# Altium PCB 190816 Diff Pressure Sensors.PcbDoc (continued)
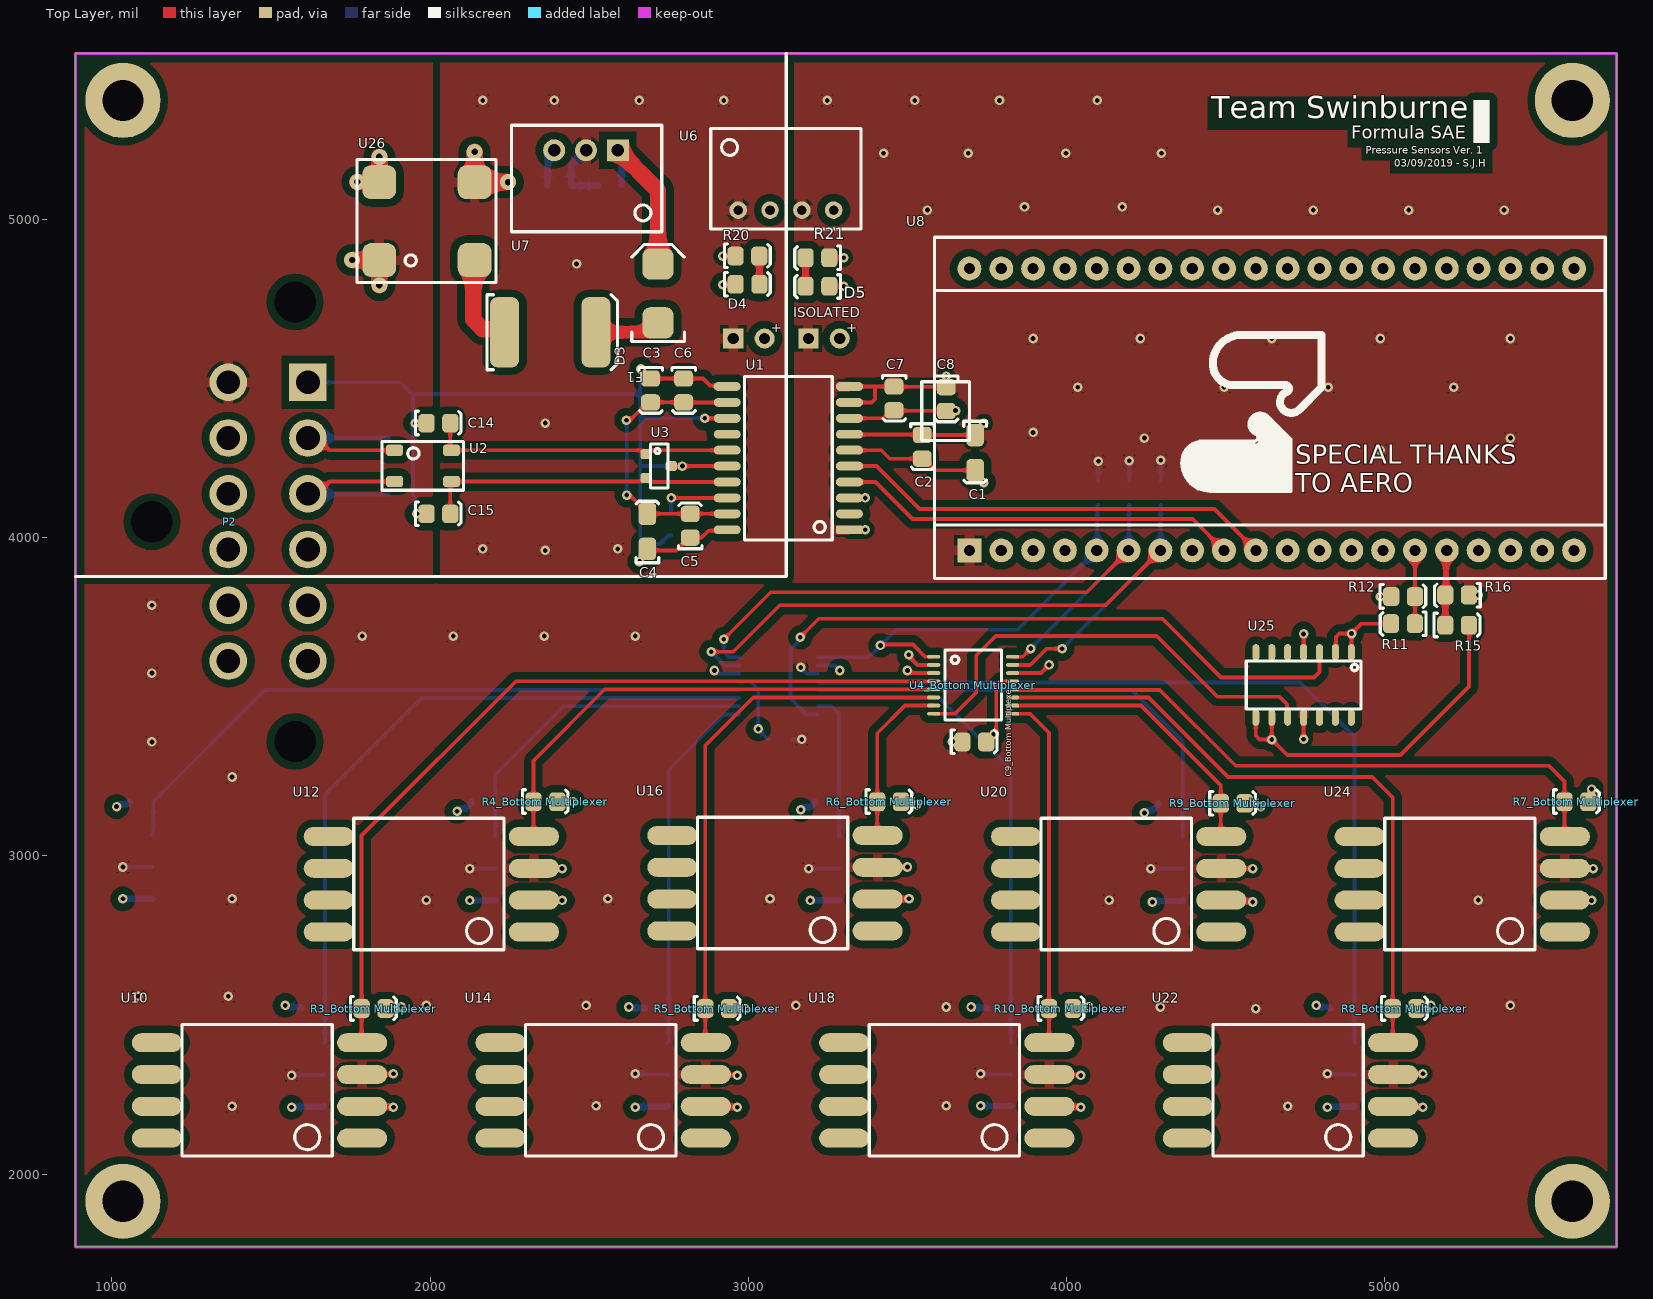
[diagram p0: Top Layer view]
## Part data
C1 C4: library part GCM3195C2A103JA16D, Digikey Part Number=490-4978-2-ND, Manufacturer=muRata, Rated Voltage=100V, Tolerance=5%, Material=Ceramic, Part Number=GCM3195C2A103JA16D
C2 C3 C6 C8 "C9_Bottom Multiplexer" "C9_Top Multiplexer": library part GCM21BR71E104KA37L, Manufacturer=muRata, Rated Voltage=25V, Tolerance=10%, Material=X7R, Part Number=GCM21BR71E104KA37L
C5 C7 C10: library part GCM21BR61A106KA37L, Manufacturer=muRata, Rated Voltage=10V, Tolerance=10%, Material=X5R, Part Number=GCM21BR61A106KA37L
C11: library part GRM21BR61A226ME51L, Digikey Part Number=490-10511-1-ND, Manufacturer=muRata, Rated Voltage=10V, Tolerance=20%, Material=X5R, Part Number=GRM21BR61A226ME51L
C12 C13 C14 C15: library part GCM21B5C1H101JA37L, Manufacturer=muRata, Rated Voltage=50V, Tolerance=5%, Material=C0G, Part Number=GCM21B5C1H101JA37L
D3: "1.2V_F 600V 5A SMB", Digikey Part Number=1655-1530-2-ND, Manufacturer="SMC Diode Solutions", Digikey Link=https://www.digikey.com/product-detail/en/smc-diode-solutions/SD560BTR/1655-1530-2-ND/6022620, Part Number=SD560BTR
D4 D5: library part SML-210LTT86, "Red LED Indication - Discrete 1.75V 0805 (2012 Metric)", Colour=Red, Digikey Part Number=511-1286-1-ND, Manufacturer="ROHM Semiconductor", Digikey Link=https://www.digikey.com/product-detail/en/rohm-semiconductor/SML-210LTT86/511-1286-1-ND/637099, Part Number=SML-210LTT86
F1: "SMD 24V 2A Fuse", Digikey Part Number=507-1749-2-ND, Manufacturer="Bel Fuse Inc", Digikey Link=https://www.digikey.com/product-detail/en/bel-fuse-inc/0ZCF0200AF2C/507-1749-2-ND/4156090, Part Number=0ZCF0200AF2C
P2: library part DT13-12P[[/\]]DT13-12P, Digikey Part Number=1734-1451-ND, Angle=90, Contact=Nickel, Digikey Link=https://www.digikey.com.au/product-detail/en/te-connectivity-deutsch-connectors/DT13-12PA/1734-1451-ND/7220123, Flange=Yes, Part Number=DT13-12P, Pitch=4.44mm, Positions=12, Row Spacing=6.35mm
R1: library part RC0805FR070RL, Manufacturer=YAGEO, Rated Voltage=0.125W, Tolerance=0.01, Material=FR-07, Part Number=RC0805FR070RL, Qty=50
R2 "R3_Bottom Multiplexer" "R3_Top Multiplexer" "R4_Bottom Multiplexer" "R4_Top Multiplexer" "R5_Bottom Multiplexer" "R5_Top Multiplexer" "R6_Bottom Multiplexer" "R6_Top Multiplexer" "R7_Bottom Multiplexer" "R7_Top Multiplexer" "R8_Bottom Multiplexer" "R8_Top Multiplexer" "R9_Bottom Multiplexer" "R9_Top Multiplexer" "R10_Bottom Multiplexer" "R10_Top Multiplexer" R13 R14: library part RC0805FR0710KL, Manufacturer=YAGEO, Rated Voltage=0.125W, Tolerance=0.01, Material=FR-07, Part Number=RC0805FR0710KL, Qty=50
R11 R15: library part RC0805FR07430RL, Manufacturer=YAGEO, Rated Voltage=0.125W, Tolerance=0.01, Material=FR-07, Part Number=RC0805FR07430RL, Qty=50
R12 R16: library part RC0805FR072KL, Manufacturer=YAGEO, Rated Voltage=0.125W, Tolerance=0.01, Material=FR-07, Part Number=RC0805FR072KL, Qty=50
R20 R21: library part RC0805FR071K5L, Manufacturer=YAGEO, Rated Voltage=0.125W, Tolerance=0.01, Material=FR-07, Part Number=RC0805FR071K5L, Qty=50
U1: "Isolated CAN Transceiver", Digikey Part Number=ADM3053BRWZ-ND, Manufacturer="Analogue Devices", Digikey Link=https://www.digikey.com/product-detail/en/analog-devices-inc/ADM3053BRWZ/ADM3053BRWZ-ND/2709332, Part Number=ADM3053
U2: "Common mode choke intended for CANBUS 150mA 50V)", Digikey Part Number=495-4598-2-ND, Manufacturer="EPCOS (TDK)", Digikey Link=https://www.digikey.com/product-detail/en/epcos-tdk/B82787C0104H002/495-4598-2-ND/3680998, Part Number=B82787C0104H002
U3: "Dual Line CAN Bus Protector", Digikey Part Number=NUP2105LT1GOSCT-ND, Manufacturer="ON Semiconductor", Digikey Link=https://www.digikey.com/product-detail/en/on-semiconductor/NUP2105LT1G/NUP2105LT1GOSCT-ND/1485001, Part Number=NUP2105L, Type="CAN ESD Protection"
"U4_Bottom Multiplexer" "U4_Top Multiplexer": "2 Circuit IC Switch 4:1 4.5 Ohm 16-TSSOP", Digikey Part Number=ADG709CRUZ-REEL7TR-ND, Manufacturer="Analogue Devices", Digikey Link=https://www.digikey.com/product-detail/en/analog-devices-inc/ADG709CRUZ-REEL7/ADG709CRUZ-REEL7TR-ND/995219, Part Number=ADG709
U6: "5V DC-DC Converter (2W)", Digikey Part Number=945-1189-ND, Manufacturer=Recom, Digikey Link=https://www.digikey.com/product-detail/en/recom-power/RI-0505S/945-1189-ND/2256369, Part Number=RI-0505S
U7: "CONV DC/DC 1A 5V OUT SIP VERT", Digikey Part Number=945-1395-5-ND, Manufacturer=Recom, Digikey Link=https://www.digikey.com.au/product-detail/en/recom-power/R-78C5.0-1.0/945-1395-5-ND/2652148, Part Number=R-78C5.0-1.0
U8: "ARM M3 mBed Enabled Microcontroller", Digikey Part Number=568-4916-ND, Manufacturer=NXP, Digikey Link=https://www.digikey.com/product-detail/en/nxp-usa-inc/OM11043,598/568-4916-ND/2138502, Part Number="LPC1768 MBED"
U9 U10 U11 U12 U13 U14 U15 U16 U17 U18 U19 U20 U21 U22 U23 U24: "Pressure Sensor ±0.29PSI (±2kPa) Differential Male - 0.13\" (3.3mm) Tube, Dual 0.5 V ~ 4.5 V 8-BSOP (0.475\", 12.06mm Width) Dual Ports, Same Side", Digikey Part Number=MPXV7002DP-ND, Manufacturer=NXP, Digikey Link=https://www.digikey.com.au/product-detail/en/nxp-usa-inc/MPXV7002DP/MPXV7002DP-ND/1168436?fbclid=IwAR0MQZl90cLpuihBZbsL3GvMnSHGSbwsdkIDRrDTi8UoGVz_88UawI4CY1w, Part Number=MPXV7002DP
U25: "IC OPAMP GP 4 CIRCUIT 14SOIC", Digikey Part Number=296-1390-5-ND, Manufacturer="Texas Instruments", Digikey Link=https://www.digikey.com/product-detail/en/texas-instruments/LM324D/296-1390-5-ND/277039, Part Number=LM324D
U26: "Common Mode Choke 120UH 2.5A 2LN 460 OHM SMD", Digikey Part Number=732-1489-2-ND, Manufacturer="Wurth Electronics Inc", Digikey Link=https://www.digikey.com/product-detail/en/wurth-electronics-inc/744272121/732-1489-2-ND/1638893, Part Number=744272121

## Free pads (board coordinates)
  round 236.22 hole 129.92 unplated: Mount(1035,1914.6) Mount(1035,5374.02) Mount(5589.57,1914.6) Mount(5589.57,5374.02)
  round 62.99 hole 35.43: "TEST +"(3051.18,4625.98) "TEST ISO +"(3287.4,4625.98)
  rect 62.99x62.99 hole 35.43: "TEST -"(2952.76,4625.98) "TEST ISO -"(3188.98,4625.98)

## Via types
v1: diameter 30, hole 15, Top Layer to Bottom Layer, 157 vias
v2: diameter 50, hole 20, Top Layer to Bottom Layer, 6 vias

## Nets (pads, with @x,y where several pads share a name; then routed paths per layer and width w, separated by ;. In a path a pad name is that pad's centre, name@x,y a point inside that pad or via, vN(x,y) a via of type N, cw(c..) or ccw(c..) an arc to the next point about the centre after c; other vN are vias at no path point)
0V: "pad.TEST -" C10.1 C11.1 R20.1 U6.1 U7.2 U26.3 | length 455.8
  Top Layer w11.81: v1(2920,4885) R20.1
  Top Layer w51.18: v2(2140.16,5212.48) U26.3 2140.28,5117.48 v2(2245.16,5117.48)
  Bottom Layer w19.68: U7.2 2443.03,5170.35 C11.1 2525.22,5106.45 C10.1
  other v1: 2362.2,3960 2165.35,3964.88 2590.16,3964.88 2362.2,4360.24 2460.63,4860.24 2165.35,5374.02 2390.16,5374.02 2657.48,5374.02 2923.23,5374.02
"0V (ISO)": "C9_Bottom Multiplexer.1" "C9_Top Multiplexer.1" "pad.TEST ISO -" "U4_Bottom Multiplexer.3" "U4_Bottom Multiplexer.14" "U4_Top Multiplexer.3" "U4_Top Multiplexer.14" C1.1 C2.1 C7.1 C8.1 R2.1 R12.1 R13.1 R14.1 R16.1 R21.1 U1.1 U1.3 U1.7 U1.9 U1.10 U6.3 U8.1 U9.3 U10.3 U11.3 U12.3 U13.3 U14.3 U15.3 U16.3 U17.3 U18.3 U19.3 U20.3 U21.3 U22.3 U23.3 U24.3 U25.11 | length 3323.6
  Top Layer w11.81: U10.3 1787.68,2314.21 1883.94,2314.21 v1(1885,2315.28) ; U12.3 2414.09,2961.18 v1(2415,2960.28) ; U14.3 2867.92,2311.71 2963.56,2311.71 v1(2965,2310.28) ; R21.1 v1(3300,4880) ; U1.1 v1(3367.91,4025.12) ; U1.3 v1(3367.91,4125.12) ; U1.7 3318.98,4324.05 3545.82,4324.05 C2.1 3712.4,4322.99 C1.1 3712.91,4331.67 3740.16,4358.92 v1(3740.16,4360.24) ; U1.9 3387.91,4425.12 3397.91,4435.12 3397.91,4470.12 3402.91,4475.12 ; U1.10 3402.91,4475.12 ; U16.3 3406.88,2964.8 3499.53,2964.8 v1(3500,2965.28) ; v1(3500,3582.68) 3507.87,3574.8 3582.68,3574.8 ; v1(3622.05,4507.87) 3621.96,4507.79 3621.96,4473.07 C8.1 3620.82,4474.05 3458.98,4474.05 C7.1 3402.91,4475.12 ; v1(3641.73,3359.45) 3671.73,3359.45 3672.76,3358.42 ; 3830.71,3574.8 3919.61,3574.8 v1(3945.2,3600.39) ; U18.3 3947.78,2311.71 4043.56,2311.71 v1(4045,2310.28) ; U20.3 4486.73,2960.73 4584.55,2960.73 v1(4585,2960.28) ; v1(4745,3367.05) U25.11 ; v1(4986.26,3815) R12.1 ; U22.3 5027.27,2314.21 5118.94,2314.21 v1(5120,2315.28) ; R16.1 v1(5294.17,3820) ; U24.3 5654.09,2961.18 v1(5655,2960.28)
  Bottom Layer w11.81: v1(1035,2965.28) 1126.14,2965.28 U9.3 ; v1(1565,2310.28) 1566.44,2311.71 1665.27,2311.71 U11.3 ; v1(2125,2960.28) 2205.73,2960.28 U13.3 ; v1(2645,2315.28) 2646.06,2314.21 2745.51,2314.21 U15.3 ; v1(2893.7,3582.68) 2903.54,3572.83 2970.47,3572.83 ; 3138.27,3365.11 3139.3,3366.14 v1(3168.31,3366.14) ; v1(3165,3592.52) 3184.68,3572.83 3218.5,3572.83 ; v1(3190,2960.28) 3190.45,2960.73 3286.05,2960.73 U17.3 ; v1(3730,2315.28) 3731.06,2314.21 3825.37,2314.21 U19.3 ; R2.1 4099.65,4178.38 4099.65,4239.41 v1(4100.39,4240.16) ; v1(4196.85,4242.13) 4197.88,4241.09 R13.1 ; v1(4265,2960.28) 4265.45,2960.73 4365.91,2960.73 U21.3 ; R14.1@4296.28,4177.66 v1(4296.26,4243.11) ; v1(4820,2315.28) 4822.13,2313.15 U23.3
  other v1: 1377.95,2213.15 4695,2213.15 2521.65,2215.28 3621.88,2215.28 4595,2520.28 3621.88,2525.28 4295,2525.28 1988.78,2530.28 2490.16,2530.28 3149.61,2530.28 5395,2530.28 1082.68,2559.06 1366.16,2559.06 1988.78,2861.18 4133.86,2861.18 5294.17,2861.18 1377.95,2865.28 2559.06,2865.28 3068.31,2865.28 1377.95,3248.03 1126,3358.42 1126,3574.8 1786.61,3690.94 2072.74,3690.94 2358.87,3690.94 2645,3690.94 1126,3787.6 4986.26,4275.12 4245,4313.19 4625.98,4313.19 5395,4313.19 3895,4330.71 4035.43,4472.99 4495,4472.99 4822.83,4472.99 5216.54,4472.99 3895,4625.98 4232.28,4625.98 4645,4625.98 4986.26,4625.98 5395,4625.98 3562.83,5029.53 4475.15,5029.53 4775.15,5029.53 5075.15,5029.53 5375.15,5029.53 3867.94,5039.37 4175.15,5039.37 3425.03,5208.43 3690.94,5208.43 3998.15,5208.43 4298.15,5208.43 3248.03,5374.02 3523.46,5374.02 3789.37,5374.02 4096.57,5374.02
"5kW Active": P2.8
5V: "pad.TEST +" C11.2 D4.A U6.2 U7.3 | length 160.8
  Top Layer w19.68: v1(2920,4795) 2920.61,4795.61 2959.55,4795.61 D4.A
  Bottom Layer w19.68: C11.2 2370.16,5108.38 2370.16,5197.48 U7.3
"5V (ISO)": "C9_Bottom Multiplexer.2" "C9_Top Multiplexer.2" "pad.TEST ISO +" "R3_Bottom Multiplexer.2" "R3_Top Multiplexer.2" "R4_Bottom Multiplexer.2" "R4_Top Multiplexer.2" "R5_Bottom Multiplexer.2" "R5_Top Multiplexer.2" "R6_Bottom Multiplexer.2" "R6_Top Multiplexer.2" "R7_Bottom Multiplexer.2" "R7_Top Multiplexer.2" "R8_Bottom Multiplexer.2" "R8_Top Multiplexer.2" "R9_Bottom Multiplexer.2" "R9_Top Multiplexer.2" "R10_Bottom Multiplexer.2" "R10_Top Multiplexer.2" "U4_Bottom Multiplexer.2" "U4_Bottom Multiplexer.13" "U4_Top Multiplexer.2" "U4_Top Multiplexer.13" C1.2 C2.2 C7.2 C8.2 D5.A U1.6 U1.8 U6.4 U8.2 U9.2 U10.2 U11.2 U12.2 U13.2 U14.2 U15.2 U16.2 U17.2 U18.2 U19.2 U20.2 U21.2 U22.2 U23.2 U24.2 U25.4 | length 3962.8
  Top Layer w11.81: D5.A v1(3300,4790) ; U1.6 3417.91,4275.12 3444.84,4248.19 C2.2 3550.82,4248.19 3586.77,4212.24 C1.2 3712.91,4200.47 v1(3740.16,4173.23) ; U1.8 3425.04,4375.12 3450.24,4400.32 C7.2 3458.98,4399.25 3620.82,4399.25 C8.2 3622.59,4398.9 3657.32,4398.9 3657.32,4399.61 v1(3651.57,4399.61) ; v1(3503.94,3631.89) 3503.94,3627.95 3531.5,3600.39 3582.68,3600.39 ; 3747.56,3358.42 v1(3772.33,3383.19) 3779.53,3390.39 3779.53,3533.46 3795.28,3549.21 3830.71,3549.21 ; U25.4 4745.08,3639.84 v1(4745.08,3697.83)
  Top Layer w19.68: U10.2 1788.05,2211.71 1883.56,2211.71 v1(1885,2210.28) ; 1859.8,2520.28 1862.3,2522.78 1907.5,2522.78 v1(1910,2525.28) ; U12.2 2327,2860.73 2414.55,2860.73 v1(2415,2860.28) ; 2399.8,3170.28 v1(2450,3170.28) ; U14.2 2867.92,2211.71 2963.56,2211.71 v1(2965,2210.28) ; 2939.8,2520.28 v1(2990,2520.28) ; U16.2 3406.88,2864.8 3504.53,2864.8 v1(3505,2865.28) ; 3479.8,3170.28 3484.8,3165.28 3525,3165.28 v1(3530,3160.28) ; U18.2 3947.78,2211.71 4043.56,2211.71 v1(4045,2210.28) ; 4020,2520.28 4022.5,2522.78 4067.5,2522.78 v1(4070,2525.28) ; U20.2 4489.23,2858.23 4582.05,2858.23 v1(4585,2855.28) ; 4559.8,3165.28 4564.8,3160.28 4605,3160.28 v1(4610,3155.28) ; U22.2 5027.65,2211.71 5118.56,2211.71 v1(5120,2210.28) ; 5099.8,2520.28 5104.8,2525.28 5140,2525.28 v1(5145,2530.28) ; U24.2 5649.09,2861.18 v1(5650,2860.28) ; 5639.8,3170.28 5644.9,3175.38 5644.9,3205.18 v1(5650,3210.28)
  Bottom Layer w11.81: 2970.47,3547.24 3007.87,3547.24 3031.5,3523.62 v1(3031.5,3399.13) 3031.5,3397.08 3063.47,3365.11 ; 3218.5,3598.43 3271.65,3598.43 v1(3287.4,3582.68) ; v1(3651.57,4399.61) v1@3661.42,4389.76
  Bottom Layer w19.68: v1(1015,3155.28) 1022.5,3162.78 1047.7,3162.78 1055.2,3170.28 ; v1(1035,2865.28) 1035.32,2865.59 1126.46,2865.59 U9.2 ; v1(1545,2530.28) 1550,2525.28 1590.2,2525.28 1595.2,2520.28 ; v1(1565,2210.28) 1566.44,2211.71 1665.27,2211.71 U11.2 ; v1(2085,3140.28) 2092.71,3147.99 2107.91,3147.99 2112.34,3152.41 2114.68,3152.41 2130.2,3167.93 2130.2,3170.28 ; v1(2125,2860.28) 2205.73,2860.28 U13.2 ; v1(2625,2525.28) 2627.5,2522.78 2672.7,2522.78 2675.2,2520.28 ; v1(2645,2210.28) 2646.44,2211.71 2745.13,2211.71 U15.2 ; v1(3165,3145.28) 3172.71,3152.99 3194.68,3152.99 3210.2,3168.51 3210.2,3170.28 ; v1(3195,2860.28) 3195.45,2860.73 3286.05,2860.73 U17.2 ; v1(3700,2525.28) 3702.5,2522.78 3747.7,2522.78 3750.2,2520.28 ; v1(3730,2215.28) 3731.06,2214.21 3825.37,2214.21 U19.2 ; v1(4245,3135.28) 4252.71,3142.99 4267.91,3142.99 4272.34,3147.41 4274.68,3147.41 4290.2,3162.93 4290.2,3165.28 ; v1(4270,2855.28) 4272.95,2858.23 4363.41,2858.23 U21.2 ; v1(4785,2530.28) 4790,2525.28 4825.2,2525.28 4830.2,2520.28 ; v1(4820,2210.28) 4821.44,2211.71 4904.86,2211.71 U23.2
"A0 (ISO)": "U4_Bottom Multiplexer.1" "U4_Top Multiplexer.1" R2.2 U8.5 | length 1352.1
  Top Layer w11.81: v1(3415.35,3661.42) 3418.54,3664.61 3517.49,3664.61 3536.65,3645.44 3536.65,3644.92 3555.59,3625.98 3582.68,3625.98 ; U8.5 U8.5@4100,3955
  Bottom Layer w11.81: 3218.5,3624.02 3377.95,3624.02 v1(3415.35,3661.42) 3464.57,3710.63 3845.63,3710.63 U8.5 4096.95,3961.95 4096.95,4100.88 R2.2
"A1 (ISO)": "U4_Bottom Multiplexer.16" "U4_Top Multiplexer.16" R13.2 U8.6 | length 2128.6
  Top Layer w11.81: v1(2923.23,3681.1) 3070.87,3828.74 4063.74,3828.74 U8.6 ; 3830.71,3625.98 3862.2,3625.98 v1(3887.8,3651.57)
  Bottom Layer w11.81: v1(2923.23,3681.1) 2923.23,3641.73 2940.94,3624.02 2970.47,3624.02 ; v1(3887.8,3651.57) 4195,3958.78 U8.6 4196.44,3961.44 4196.44,4101.4 R13.2
"A2 (ISO)": "U4_Bottom Multiplexer.15" "U4_Top Multiplexer.15" R14.2 U8.7 | length 2404.1
  Top Layer w11.81: v1(2883.86,3641.73) 2952.74,3641.73 3098.61,3787.6 4122.6,3787.6 U8.7 ; 3830.71,3600.39 3886.18,3600.39 3937.01,3651.22 v1(3986.22,3651.22)
  Bottom Layer w11.81: v1(2883.86,3641.73) 2927.17,3598.43 2970.47,3598.43 ; v1(3986.22,3651.22) U8.7 4295.65,3960.65 4295.65,4102.18 R14.2
CANH: C12.2 P2.3 U2.2 | length 545.6
  Top Layer w11.81: P2.3 1644.92,4137.99 1683.5,4176.57 U2.2
  Bottom Layer w11.81: P2.3 1618.17,4135.98 1869.64,4135.98 C12.2
CANL: C13.2 P2.2 U2.1 | length 544.1
  Top Layer w11.81: P2.2 1644.92,4313.19 1683.11,4275 U2.1
  Bottom Layer w11.81: P2.2 1870.88,4313.19 C13.2
CANS: C3.1 C4.1 C5.1 C6.1 C12.1 C13.1 C14.1 C15.1 P2.1 R1.1 U1.11 U1.13 U1.16 U1.20 U3.3 | length 3430.6
  Top Layer w11.81: v1(1953.58,4360) C14.1 ; v1(1958.58,4075) C15.1 ; v1(2657.91,3925.12) 2682.91,3950.12 C4.1 2687.68,3960.12 2773.77,3960.12 2813.97,4000.32 C5.1 2853.11,4000.32 2874.82,4022.02 2930.82,4022.02 U1.20 ; v1(2662.91,4530.12) C3.1 C6.1 2857.91,4500.12 2879.82,4478.22 2930.78,4478.22 U1.11 ; U3.3 v1(2792.91,4225.12) U1.16 ; v1(2862.91,4375.12) U1.13
  Bottom Layer w11.81: P2.1 1906.89,4488.39 1946.45,4448.82 ; v1(1958.58,4075) 1953.31,4080.27 1953.31,4127.11 C12.1 C13.1 1946.45,4448.82 ; v1(2657.91,3925.12) 2660.41,3927.62 2660.41,3985.12 ; v1(2662.91,4530.12) 2660.41,4527.62 2660.41,4451.37 ; R1.1 2749.21,4007.25 2722.09,3980.12 2665.41,3980.12 2660.41,3985.12 ; v1(2792.91,4225.12) 2665.41,4225.12 2660.41,4220.12 ; v1(2862.91,4375.12) 2660.41,4375.12 ; 1946.45,4448.82 1949,4451.37 2660.41,4451.37 ; 2660.41,3985.12 2660.41,4220.12 ; 2660.41,4220.12 2660.41,4375.12 ; 2660.41,4375.12 2660.41,4451.37
GLV+: P2.12 U26.1 | length 164.3
  Top Layer w51.18: v2(1755.16,4872.48) U26.1 1840.55,4872.09 v2(1840.55,4793.31)
GLV-: P2.11 U26.4 | length 148.5
  Top Layer w51.18: v2(1771.65,5118.11) 1839.41,5118.11 U26.4 1840.55,5117.76 v2(1840.55,5196.85)
NetC3_2: C3.2 C4.2 C5.2 C6.2 U1.12 U1.19 | length 921.3
  Top Layer w11.81: v1(2617.22,4369.19) 2628.75,4369.19 2688.7,4429.13 2692.71,4425.12 C3.2 C6.2 2796.98,4425.22 2933.81,4425.22 U1.12 ; v1(2618.11,4133.86) 2627.79,4133.86 2682.91,4078.73 C4.2 C5.2 U1.19
  Bottom Layer w11.81: v1(2617.22,4369.19) 2618.11,4368.3 v1(2618.11,4133.86)
NetC10_2: C10.2 D3.K U7.1 | length 523.5
  Top Layer w51.18: U7.1 2716.54,5091.1 D3.K
  Bottom Layer w19.68: U7.1 2602.09,5205.55 C10.2
NetC14_2: C14.2 U1.15 U2.4 U3.1 | length 963.3
  Top Layer w11.81: C14.2 2063.58,4279.13 U2.4 2666.69,4275 U3.1 2691.77,4275.12 U1.15
NetC15_2: C15.2 U1.17 U2.3 U3.2 | length 979.3
  Top Layer w11.81: C15.2 2063.58,4172.44 U2.3 2668.03,4176.57 U3.2 2682.21,4187.72 2694.81,4175.12 U1.17
NetD3_A: D3.A F1.2 | length 207.1
  Top Layer w39.37: F1.2 2687.01,4645.67 D3.A
NetD4_K: D4.K R20.2 | length 88.9
  Top Layer w19.68: R20.2 3034.88,4884.92 3034.88,4796.29 D4.K
NetD5_K: D5.K R21.2 | length 90
  Top Layer w19.68: D5.K R21.2
NetF1_1: F1.1 U26.2 | length 303.7
  Top Layer w51.18: U26.2 2135.83,4868.15 2135.83,4685.49 2165.81,4655.51 2224.41,4655.51 F1.1
NetR1_2: R1.2 U1.18 | length 219.5
  Top Layer w11.81: v1(2757.91,4125.12) U1.18
  Bottom Layer w11.81: R1.2 2757.4,4082.56 2757.4,4124.6 v1(2757.91,4125.12)
NetR11_1: R11.1 R12.2 U8.15 | length 230.1
  Top Layer w11.81: R11.1 5094.9,3730.1 5094.9,3814.9 R12.2 U8.15
NetR11_2: R11.2 U25.1 U25.2 | length 299.1
  Top Layer w11.81: U25.2 4846.95,3641.71 4846.95,3688.48 4857.28,3698.82 v1(4895.67,3698.82) ; U25.1 4895.33,3640.1 4895.33,3698.48 v1(4895.67,3698.82) ; R11.2 4926.85,3730 v1(4895.67,3698.82)
NetR15_1: R15.1 R16.2 U8.16 | length 237
  Top Layer w19.68: R15.1 R16.2 5192.6,3822.4 5192.6,3957.6 U8.16
NetR15_2: R15.2 U25.8 U25.9 | length 1103.6
  Top Layer w11.81: U25.8 4595,3377.44 4606.66,3365.78 v1(4645,3365.78) ; U25.9 v1(4645,3365.78) ; R15.2 5265,3532.72 5049.21,3316.93 4693.85,3316.93 v1(4645,3365.78)
"NetU4_Bottom Multiplexer_8": "U4_Bottom Multiplexer.8" U25.10 | length 1410.7
  Top Layer w11.81: 3582.68,3446.85 3649.66,3446.85 3716.54,3513.72 3716.54,3629.86 3777.62,3690.94 4283.46,3690.94 4474.41,3500 4669.73,3500 4693.05,3476.68 4693.05,3436.99 U25.10
"NetU4_Top Multiplexer_8": "U4_Top Multiplexer.8" U25.3 | length 2111.9
  Top Layer w11.81: v1(3163.54,3687.19) 3221.43,3745.08 4301.18,3745.08 4485.24,3561.02 4777.56,3561.02 4795,3578.46 U25.3
  Bottom Layer w11.81: v1(3163.54,3687.19) 3160.06,3683.71 3160.06,3676.51 3132.28,3648.74 3132.28,3495.67 3183.07,3444.88 3218.5,3444.88
RX: U1.4 U8.9 | length 1266.2
  Top Layer w11.81: U1.4 3399.73,4175.12 3516.34,4058.5 4396.5,4058.5 U8.9
"SDN In": P2.10
"SDN Out": P2.9
"Sensor 1": "R7_Top Multiplexer.1" "U4_Top Multiplexer.12" U9.4 | length 2091.7
  Bottom Layer w11.81: U9.4 1130,3069.13 1130,3170.28 1481.38,3521.65 2970.47,3521.65
"Sensor 2": "R8_Top Multiplexer.1" "U4_Top Multiplexer.11" U11.4 | length 2206.8
  Bottom Layer w11.81: U11.4 1670,2416.45 1670,2520.28 1670,3192.27 1973.79,3496.06 2970.47,3496.06
"Sensor 3": "R9_Top Multiplexer.1" "U4_Top Multiplexer.10" U13.4 | length 1049.9
  Bottom Layer w11.81: U13.4 2205,3062.82 2205,3170.28 2205,3256.24 2419.24,3470.47 2970.47,3470.47
"Sensor 4": "R10_Top Multiplexer.1" "U4_Top Multiplexer.9" U15.4 | length 1152.2
  Bottom Layer w11.81: U15.4 2750,2416.58 2750,2520.28 2750,3271.65 2923.23,3444.88 2970.47,3444.88
"Sensor 5": "R6_Top Multiplexer.1" "U4_Top Multiplexer.7" U17.4 | length 462.8
  Bottom Layer w11.81: 3218.5,3470.47 3261.81,3470.47 3285,3447.28 3285,3170.28 3285,3062.68 U17.4
"Sensor 6": "R5_Top Multiplexer.1" "U4_Top Multiplexer.6" U19.4 | length 1558.4
  Bottom Layer w11.81: 3218.5,3496.06 3600.39,3496.06 3825,3271.46 3825,2520.28 3825,2414.58 U19.4
"Sensor 7": "R4_Top Multiplexer.1" "U4_Top Multiplexer.5" U21.4 | length 1513.6
  Bottom Layer w11.81: 3218.5,3521.65 4204.72,3521.65 4365,3361.38 4365,3165.28 4365,3062.55 U21.4
"Sensor 8": "R3_Top Multiplexer.1" "U4_Top Multiplexer.4" U23.4 | length 2720.3
  Bottom Layer w11.81: 3218.5,3547.24 3220.47,3545.28 4734.76,3545.28 4905,3375.04 4905,2520.28 4905,2414.45 U23.4
"Sensor 9": "R3_Bottom Multiplexer.1" "U4_Bottom Multiplexer.4" U10.4 | length 2650.5
  Top Layer w11.81: U10.4 1785,2414.76 1785,2520.28 1785,3064.53 2269.68,3549.21 3582.68,3549.21
"Sensor 10": "R4_Bottom Multiplexer.1" "U4_Bottom Multiplexer.5" U12.4 | length 1589.4
  Top Layer w11.81: U12.4 2325,3062.73 2325,3170.28 2325,3299.41 2549.21,3523.62 3582.68,3523.62
"Sensor 11": "R5_Bottom Multiplexer.1" "U4_Bottom Multiplexer.6" U14.4 | length 1714.9
  Top Layer w11.81: U14.4 2865,2414.63 2865,2520.28 2865,3347.28 3015.75,3498.03 3582.68,3498.03
"Sensor 12": "R6_Bottom Multiplexer.1" "U4_Bottom Multiplexer.7" U16.4 | length 535.3
  Top Layer w11.81: U16.4 3405,3065.74 3405,3170.28 3405,3385.31 3492.13,3472.44 3582.68,3472.44
"Sensor 13": "R10_Bottom Multiplexer.1" "U4_Bottom Multiplexer.9" U18.4 | length 1113.8
  Top Layer w11.81: 3830.71,3446.85 3885.32,3446.85 3945.2,3386.97 3945.2,2520.28 3945.2,2414.29 U18.4 ; 3925.83,2539.65 3926.04,2539.65
"Sensor 14": "R9_Bottom Multiplexer.1" "U4_Bottom Multiplexer.10" U20.4 | length 919.4
  Top Layer w11.81: 3830.71,3472.44 4234.25,3472.44 4485,3221.69 4485,3165.28 4485,3062.46 U20.4 ; 4465.63,3184.65 4465.84,3184.65
"Sensor 15": "R8_Bottom Multiplexer.1" "U4_Bottom Multiplexer.11" U22.4 | length 2095.5
  Top Layer w11.81: 3830.71,3498.03 4257.87,3498.03 4507.87,3248.03 4960.63,3248.03 5025,3183.66 5025,2520.28 5025,2414.36 U22.4
"Sensor 16": "R7_Bottom Multiplexer.1" "U4_Bottom Multiplexer.12" U24.4 | length 2027.7
  Top Layer w11.81: 3830.71,3523.62 3832.68,3521.65 4293.31,3521.65 4531.54,3283.43 5515.79,3283.43 5565,3234.21 5565,3170.28 5565,3062.32 U24.4
TX: U1.5 U8.10 | length 1386.9
  Top Layer w11.81: U1.5 3402.83,4225.12 3537.95,4090 4465,4090 U8.10
pads on no net: P2.0 P2.4 P2.5 P2.6 P2.7 U1.2 U1.14 U8.3 U8.4 U8.8 U8.11 U8.12 U8.13 U8.14 U8.17 U8.18 U8.19 U8.20 U8.21 U8.22 U8.23 U8.24 U8.25 U8.26 U8.27 U8.28 U8.29 U8.30 U8.31 U8.32 U8.33 U8.34 U8.35 U8.36 U8.37 U8.38 U8.39 U8.40 U9.1 U9.5 U9.6 U9.7 U9.8 U10.1 U10.5 U10.6 U10.7 U10.8 U11.1 U11.5 U11.6 U11.7 U11.8 U12.1 U12.5 U12.6 U12.7 U12.8 U13.1 U13.5 U13.6 U13.7 U13.8 U14.1 U14.5 U14.6 U14.7 U14.8 U15.1 U15.5 U15.6 U15.7 U15.8 U16.1 U16.5 U16.6 U16.7 U16.8 U17.1 U17.5 U17.6 U17.7 U17.8 U18.1 U18.5 U18.6 U18.7 U18.8 U19.1 U19.5 U19.6 U19.7 U19.8 U20.1 U20.5 U20.6 U20.7 U20.8 U21.1 U21.5 U21.6 U21.7 U21.8 U22.1 U22.5 U22.6 U22.7 U22.8 U23.1 U23.5 U23.6 U23.7 U23.8 U24.1 U24.5 U24.6 U24.7 U24.8 U25.5 U25.6 U25.7 U25.12 U25.13 U25.14

## Polygon pours and split planes (outlines as drawn)
"0V (ISO)" on Bottom Layer "Bottom Layer-0V (ISO)" (solid, pour order 4): 3120.08,5521.65 5728.35,5521.65 5728.35,1771.65 885.83,1771.65 885.83,3877.95 3120.08,3877.95
0V on Bottom Layer "Bottom Layer-0V" (solid, pour order 2): 2007.87,5521.65 3120.08,5521.65 3120.08,3877.95 2007.87,3877.95
GLV- on Bottom Layer "Bottom Layer-GLV-" (solid, pour order 0): 885.83,5521.65 2007.87,5521.65 2007.87,3877.95 885.83,3877.95
"0V (ISO)" on Top Layer "Top Layer-5V (ISO)" (solid, pour order 10): 3120.08,5521.65 5728.35,5521.65 5728.35,1771.65 885.83,1771.65 885.83,3877.95 3120.08,3877.95
0V on Top Layer "Top Layer-0V" (solid, pour order 8): 2007.87,5521.65 3120.08,5521.65 3120.08,3877.95 2007.87,3877.95
GLV+ on Top Layer "Top Layer-GLV+" (solid, pour order 6): 885.83,5521.65 2007.87,5521.65 2007.87,3877.95 885.83,3877.95
0V on GND (split plane): 3107.52,3890.51 2020.43,3890.51 2020.43,5501.56 3107.52,5501.56
"0V (ISO)" on GND (split plane): 5708.25,1791.75 905.92,1791.75 905.92,3865.39 3120.08,3865.39 3122.53,3865.63 3124.89,3866.35 3127.06,3867.51 3128.96,3869.07 3130.52,3870.97 3131.68,3873.15 3132.4,3875.5 3132.64,3877.95 3132.64,5501.56 5708.25,5501.56
GLV- on GND (split plane): 1995.31,3890.51 905.92,3890.51 905.92,5501.56 1995.31,5501.56
5V on PWR (split plane): 3107.52,3890.51 2020.43,3890.51 2020.43,5501.56 3107.52,5501.56
"5V (ISO)" on PWR (split plane): 5708.25,1791.75 905.92,1791.75 905.92,3865.39 3120.08,3865.39 3122.53,3865.63 3124.89,3866.35 3127.06,3867.51 3128.96,3869.07 3130.52,3870.97 3131.68,3873.15 3132.4,3875.5 3132.64,3877.95 3132.64,5501.56 5708.25,5501.56
GLV+ on PWR (split plane): 1995.31,3890.51 905.92,3890.51 905.92,5501.56 1995.31,5501.56

## Keep-outs
Keep-Out Layer:
  the board outline again, w10

## Other copper
Top Layer:
  rectangle: 5279.45,5239.95 5329.45,5374.95
  text "Team Swinburne" at 4455.04,5294.95 h120
  text "Formula SAE" at 4895.04,5239.95 h70
  text "Pressure Sensors Ver. 1" at 4940.04,5198.74 h40
  text "03/09/2019 - S.J.H" at 5029.53,5157.48 h40
Bottom Layer:
  rectangle: 5279.45,5239.95 5329.45,5374.95
  text "Team Swinburne" at 4455.04,5294.95 h120
  text "Formula SAE" at 4895.04,5239.95 h70
  text "Pressure Sensors Ver. 1" at 4940.04,5198.74 h40
  text "03/09/2019 - S.J.H" at 5029.53,5157.48 h40
GND (plane layer: these items are gaps in the copper):
  rectangle: 5280.43,5238.97 5330.43,5373.97
  lines w25: 885.83,3877.95 3120.08,3877.95 3120.08,5521.65 ; 2007.87,3877.95 2007.87,5511.81
  text "Team Swinburne" at 4456.02,5293.97 h120
  text "Formula SAE" at 4896.02,5238.97 h70
  text "Pressure Sensors Ver. 1" at 4941.02,5197.76 h40
  text "03/09/2019 - S.J.H" at 5030.51,5156.5 h40
PWR (plane layer: these items are gaps in the copper):
  rectangle: 5279.45,5239.95 5329.45,5374.95
  lines w25: 885.83,3877.95 3120.08,3877.95 3120.08,5521.65 ; 2007.87,3877.95 2007.87,5511.81
  text "Team Swinburne" at 4455.04,5294.95 h120
  text "Formula SAE" at 4895.04,5239.95 h70
  text "Pressure Sensors Ver. 1" at 4940.04,5198.74 h40
  text "03/09/2019 - S.J.H" at 5029.53,5157.48 h40

## Silkscreen, mask and mechanical layers (free items; w line width, h text height)
Top Overlay:
  rectangle: 5279.45,5239.95 5329.45,5374.95
  region: 4427.3,4303.6 4406.99,4300.69 4382.87,4289.37 4375.98,4277.56 4362.2,4255.91 4364.17,4253.94 4364.17,4206.69 4379.92,4185.04 4384.84,4174.21 4386.81,4174.21 4411.42,4149.61 4448.35,4149.61 4453.27,4144.69 4703.02,4144.69 4704.53,4146.19 4704.53,4309.97 4625.45,4388.78 4594.49,4388.78 4587.6,4381.89 4575.3,4364.67 4579.23,4339.07 4591.36,4326.95 4600.39,4321.85 4595.47,4304.13 4593.5,4302.17 4593.5,4292.32 4603.35,4302.17
  lines w10: 885.83,3877.95 3119.09,3877.95 3119.09,5521.65 ; 4730.13,4401.65 4730.39,4401.65 ; 4362.75,4243.96 ccw(c4451.73,4235.57) 4451.77,4146.19 4704.53,4146.19 4704.53,4279.06 4704.53,4309.97 4632.95,4381.54 4632.69,4381.54 ccw(c4608.38,4356.54) 4590.83,4326.42 cw(c4589.86,4314.94) 4587.87,4303.6 4427.3,4303.6 ccw(c4428.15,4237.92) 4362.75,4243.96
  lines w25: 4730.13,4401.65 cw(c4705.83,4426.65) 4688.28,4456.78 ccw(c4687.3,4468.25) 4685.31,4479.6 4524.74,4479.6 cw(c4525.59,4545.28) 4460.19,4539.24 cw(c4549.17,4547.63) 4549.21,4637.01 4801.97,4637.01 4801.97,4504.13 4801.97,4473.23 4730.39,4401.65
  text "Team Swinburne" at 4455.04,5294.95 h120
  text "Formula SAE" at 4895.04,5239.95 h70
  text "Pressure Sensors Ver. 1" at 4940.04,5198.74 h40
  text "03/09/2019 - S.J.H" at 5029.53,5157.48 h40
  text "ISOLATED" at 3141.73,4692.91 h31.5
  text "+" at 3070.87,4645.67 h31.5
  text "+" at 3307.09,4645.67 h31.5
  text "SPECIAL THANKS  / TO AERO" at 4718.5,4142.72 h60
Drill Drawing:
  circle w10: c100.62,6908.86 r33.33
  lines w10: 67.29,5858.86 100.62,5825.53 133.96,5858.86 100.62,5892.2 67.29,5858.86 ; 67.29,5975.53 100.62,5992.2 133.96,5975.53 117.29,6008.86 133.96,6042.2 100.62,6025.53 67.29,6042.2 83.96,6008.86 67.29,5975.53 ; 67.29,6142.2 83.96,6142.2 100.62,6125.53 117.29,6142.2 133.96,6142.2 117.29,6158.86 133.96,6175.53 117.29,6175.53 100.62,6192.2 83.96,6175.53 67.29,6175.53 83.96,6158.86 67.29,6142.2 ; 67.29,6342.2 133.96,6342.2 100.62,6275.53 67.29,6342.2 ; 67.29,6442.2 83.96,6442.2 83.96,6425.53 117.29,6425.53 117.29,6442.2 133.96,6442.2 133.96,6475.53 117.29,6475.53 117.29,6492.2 83.96,6492.2 83.96,6475.53 67.29,6475.53 67.29,6442.2 ; 67.29,6575.53 67.29,6592.2 83.96,6608.86 67.29,6625.53 67.29,6642.2 83.96,6642.2 100.62,6625.53 117.29,6642.2 133.96,6642.2 133.96,6625.53 117.29,6608.86 133.96,6592.2 133.96,6575.53 117.29,6575.53 100.62,6592.2 83.96,6575.53 67.29,6575.53 ; 67.29,6725.53 133.96,6725.53 133.96,6792.2 67.29,6792.2 67.29,6725.53
  lines w15: 7.5,5780.53 10598.56,5780.53 ; 7.5,6980.53 10598.56,6980.53 ; 558.38,5630.53 558.38,7130.53 ; 1158.22,5630.53 1158.22,7130.53 ; 2307.88,5630.53 2307.88,7130.53 ; 2813.76,5630.53 2813.76,7130.53 ; 3547.56,5630.53 3547.56,7130.53 ; 5047.11,5630.53 5047.11,7130.53 ; 5636.96,5630.53 5636.96,7130.53 ; 6382.76,5630.53 6382.76,7130.53 ; 7032.58,5630.53 7032.58,7130.53 ; 7886.35,5630.53 7886.35,7130.53 ; 9219.96,5630.53 9219.96,7130.53 ; 7.5,5630.53 10598.56,5630.53 10598.56,7130.53 7.5,7130.53 7.5,5630.53
  text "Symbol" at 97.5,7025.53 h72
  text "Count" at 603.38,7025.53 h72
  text "Hole Size" at 1203.22,7025.53 h72
  text "Plated" at 2352.88,7025.53 h72
  text "Hole Type" at 2858.76,7025.53 h72
  text "Drill Layer Pair" at 3592.56,7025.53 h72
  text "Via/Pad" at 5092.11,7025.53 h72
  text "Pad Shape" at 5681.96,7025.53 h72
  text "Template" at 6427.76,7025.53 h72
  text "Description" at 7077.58,7025.53 h72
  text "Hole Tolerance (+)" at 7931.35,7025.53 h72
  text "Hole Tolerance (-)" at 9264.96,7025.53 h72
  text "3" at 603.38,6875.53 h60
  text "39.37mil (1.000mm)" at 1203.22,6875.53 h60
  text "PTH" at 2352.88,6875.53 h60
  text "Round" at 2858.76,6875.53 h60
  text "Top Layer - Bottom Layer" at 3592.56,6875.53 h60
  text "Pad" at 5092.11,6875.53 h60
  text "(Mixed)" at 5681.96,6875.53 h60
  text "(Mixed)" at 6427.76,6875.53 h60
  text "4" at 603.38,6725.53 h60
  text "30.00mil (0.762mm)" at 1203.22,6725.53 h60
  text "PTH" at 2352.88,6725.53 h60
  text "Round" at 2858.76,6725.53 h60
  text "Top Layer - Bottom Layer" at 3592.56,6725.53 h60
  text "Pad" at 5092.11,6725.53 h60
  text "Rounded" at 5681.96,6725.53 h60
  text "c140h76" at 6427.76,6725.53 h60
  text "4" at 603.38,6575.53 h60
  text "35.43mil (0.900mm)" at 1203.22,6575.53 h60
  text "PTH" at 2352.88,6575.53 h60
  text "Round" at 2858.76,6575.53 h60
  text "Top Layer - Bottom Layer" at 3592.56,6575.53 h60
  text "Pad" at 5092.11,6575.53 h60
  text "(Mixed)" at 5681.96,6575.53 h60
  text "(Mixed)" at 6427.76,6575.53 h60
  text "6" at 603.38,6425.53 h60
  text "20.00mil (0.508mm)" at 1203.22,6425.53 h60
  text "PTH" at 2352.88,6425.53 h60
  text "Round" at 2858.76,6425.53 h60
  text "Top Layer - Bottom Layer" at 3592.56,6425.53 h60
  text "Via" at 5092.11,6425.53 h60
  text "Rounded" at 5681.96,6425.53 h60
  text "v127h51" at 6427.76,6425.53 h60
  text "7" at 603.38,6275.53 h60
  text "129.92mil (3.300mm)" at 1203.22,6275.53 h60
  text "NPTH" at 2352.88,6275.53 h60
  text "Round" at 2858.76,6275.53 h60
  text "Top Layer - Bottom Layer" at 3592.56,6275.53 h60
  text "Pad" at 5092.11,6275.53 h60
  text "Rounded" at 5681.96,6275.53 h60
  text "(Mixed)" at 6427.76,6275.53 h60
  text "12" at 603.38,6125.53 h60
  text "74.80mil (1.900mm)" at 1203.22,6125.53 h60
  text "PTH" at 2352.88,6125.53 h60
  text "Round" at 2858.76,6125.53 h60
  text "Top Layer - Bottom Layer" at 3592.56,6125.53 h60
  text "Pad" at 5092.11,6125.53 h60
  text "(Mixed)" at 5681.96,6125.53 h60
  text "(Mixed)" at 6427.76,6125.53 h60
  text "40" at 603.38,5975.53 h60
  text "35.00mil (0.889mm)" at 1203.22,5975.53 h60
  text "PTH" at 2352.88,5975.53 h60
  text "Round" at 2858.76,5975.53 h60
  text "Top Layer - Bottom Layer" at 3592.56,5975.53 h60
  text "Pad" at 5092.11,5975.53 h60
  text "(Mixed)" at 5681.96,5975.53 h60
  text "(Mixed)" at 6427.76,5975.53 h60
  text "157" at 603.38,5825.53 h60
  text "15.00mil (0.381mm)" at 1203.22,5825.53 h60
  text "PTH" at 2352.88,5825.53 h60
  text "Round" at 2858.76,5825.53 h60
  text "Top Layer - Bottom Layer" at 3592.56,5825.53 h60
  text "Via" at 5092.11,5825.53 h60
  text "Rounded" at 5681.96,5825.53 h60
  text "v76h38" at 6427.76,5825.53 h60
  text "233 Total" at 603.38,5675.53 h60
  text "NOTES" at 5943.28,5381.78 h118.11
  text "1. QUANTITY: 5" at 5943.28,5184.93 h118.11
  text "2. SIZE:" at 5943.28,4988.08 h118.11
  text "3. LAYERS: 4" at 5943.28,4791.23 h118.11
  text "4. SIGNAL LAYERS: 1,4" at 5943.28,4594.38 h118.11
  text "a) WEIGHT: 1oz" at 6140.13,4397.53 h118.11
  text "5. PLANES: 2" at 5943.28,4200.68 h118.11
  text "a) WEIGHT: 1oz" at 6140.13,4003.83 h118.11
  text "6. SOLDER MASKS: Blue" at 5943.28,3806.98 h118.11
  text "7. SILKSCREEN: White" at 5943.28,3610.13 h118.11
  text "8. SURFACE FINISH: HASL with Lead Free" at 5943.28,3413.28 h118.11
  text "9. VIA PROCESS: Tenting Vias" at 5943.28,3216.43 h118.11
  text "10. FINISHED COPPER: 2oz Cu" at 5943.28,3019.57 h118.11
  text "11. TOTAL THICKNESS: 1.6mm" at 5943.28,2796.86 h118.11

## Dimensions
885.83,1771.65 to 5728.35,1771.65 on Drill Drawing
885.83,5521.65 to 885.83,1771.65 on Drill Drawing